# Altium PCB EgSA-Cube3.PcbDoc (part 1 of 2) (continued)
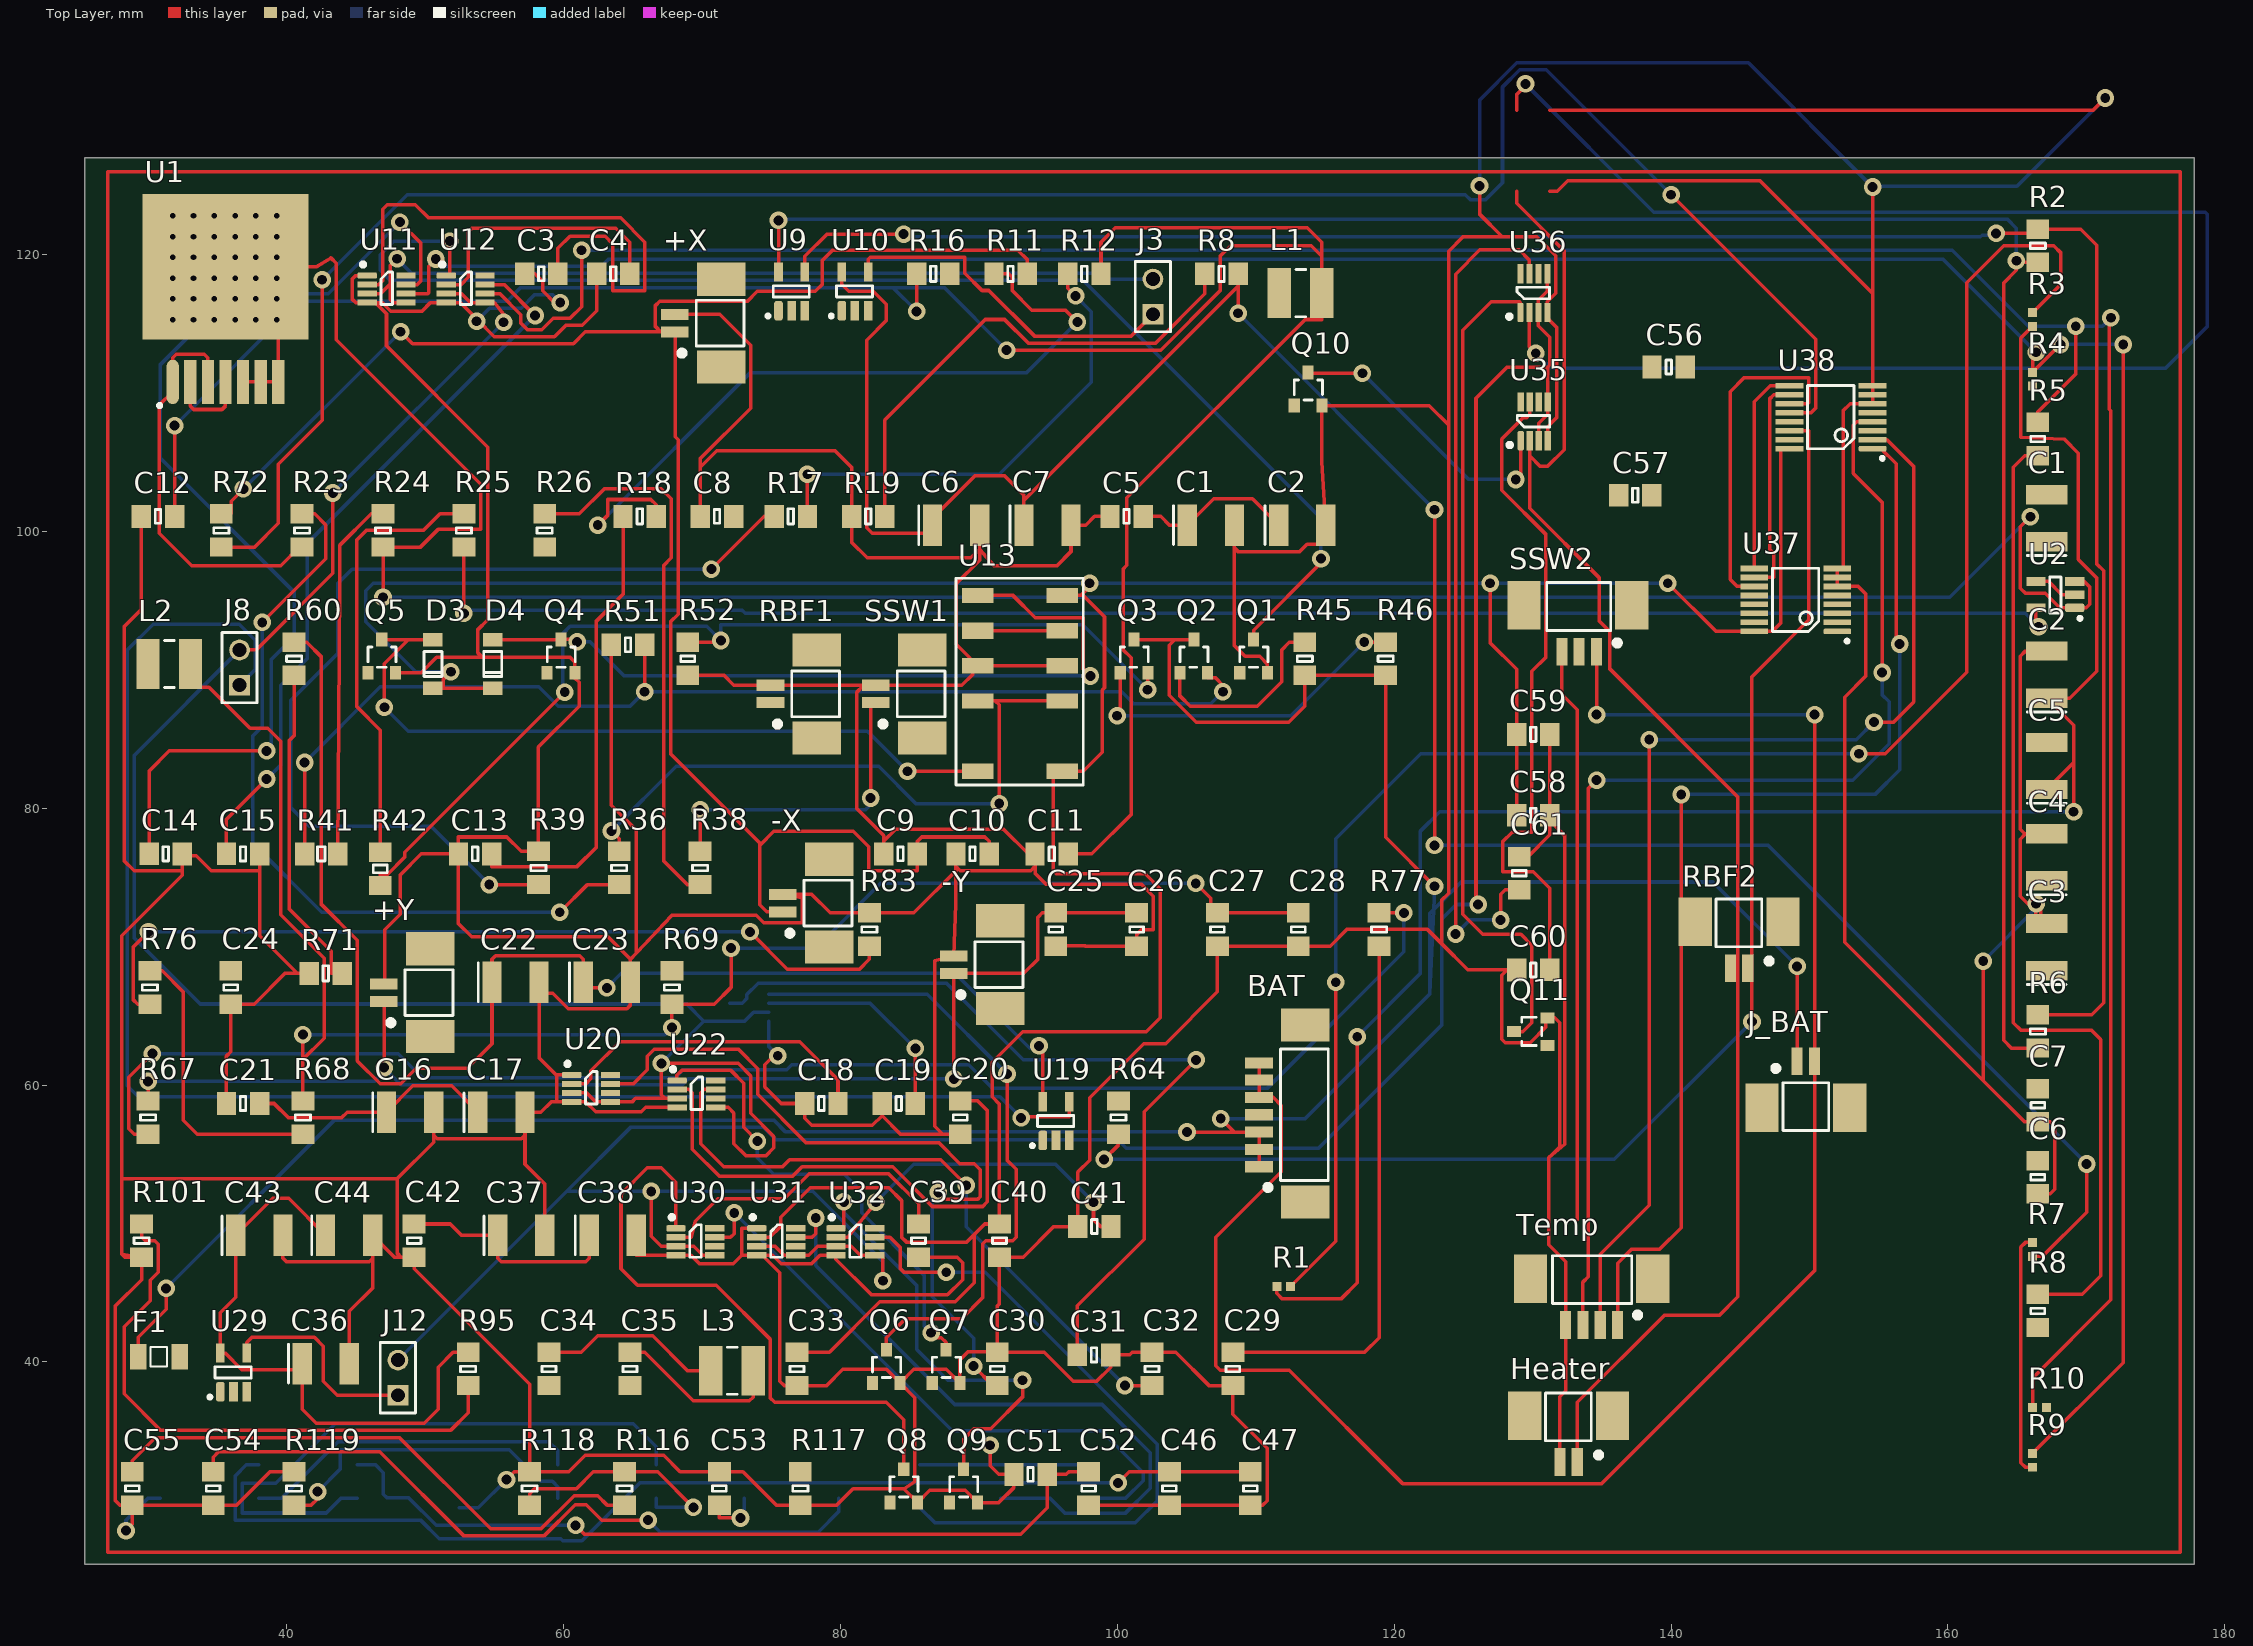
[diagram p0: Top Layer view]
## Part data (continued)
C7 C9 C10 C25 C26 C53: "CAP CER 4.7UF 35V X7R 0805", Capacitance=4.7uF, Case Code (Imperial)=0805, Case Code (Metric)=2012, Dielectric=X7R, Manufacturer=TDK, Max Operating Temperature=125°C, Min Operating Temperature=-55°C, Package Quantity=2000, Ratings=AEC-Q200, Supplier Part Number 1=445-175363-1-ND, Tolerance=10%, Voltage Rating=35V, Case/Package=0805, ComponentLink1Description=https://product.tdk.com/info/en/catalog/datasheets/mlcc_automotive_general_en.pdf?src-supplier=Digi-Key, ComponentLink1URL=https://product.tdk.com/info/en/catalog/datasheets/mlcc_automotive_general_en.pdf?src-supplier=Digi-Key, ComponentLink2Description=https://product.tdk.com/info/en/catalog/spec/mlccspec_automotive_general_midvoltage_en.pdf?src-supplier=Digi-Key, ComponentLink2URL=https://product.tdk.com/info/en/catalog/spec/mlccspec_automotive_general_midvoltage_en.pdf?src-supplier=Digi-Key, ComponentLink3Description=http://product.tdk.com/capacitor/mlcc/class/print_detail_pdf.php?lang=en&part_no=CGA4J1X7R1V475K125AC&src-supplier=Avnet, ComponentLink3URL=http://product.tdk.com/capacitor/mlcc/class/print_detail_pdf.php?lang=en&part_no=CGA4J1X7R1V475K125AC&src-supplier=Avnet, ComponentLink4Description=http://product.tdk.com/capacitor/mlcc/detailed_information.php?lang=en&ref=jp&part_no=CGA4J1X7R1V475K125AC&src-supplier=Mouser, ComponentLink4URL=http://product.tdk.com/capacitor/mlcc/detailed_information.php?lang=en&ref=jp&part_no=CGA4J1X7R1V475K125AC&src-supplier=Mouser, Height=1.25mm, Lead Free="Lead Free", Length=0.079inch, Manufacturer Part Number=CGA4J1X7R1V475K125AC, Mount="Surface Mount", Packaging="Tape and Reel", Pricing 1="1=0.48, 10=0.338, 50=0.2558, 100=0.2228, 500=0.165, 1000=0.1403 (USD)", RoHS Compliant=Yes, Stock 1=20312, Supplier 1=Digi-Key, Termination=SMD/SMT, Thickness=0.057inch, Voltage Rating (DC)=35V, Weight=0.000194oz, Width=0.049inch
C8 C24 C45: "CAP CER 0.47UF 16V X7R 0805", Capacitance=470nF, Case Code (Imperial)=0805, Case Code (Metric)=2012, Dielectric=X7R, Insulation Resistance=100GR, Manufacturer="Kyocera AVX", Max Operating Temperature=125°C, Min Operating Temperature=-55°C, Package Quantity=1, Supplier Part Number 1=478-1403-1-ND, Tolerance=10%, Voltage=16V, Case/Package=0805, ComponentLink1Description=http://uk.rs-online.com/webdocs/0ed4/0900766b80ed4be2.pdf?src-supplier=RSComponents, ComponentLink1URL=http://uk.rs-online.com/webdocs/0ed4/0900766b80ed4be2.pdf?src-supplier=RSComponents, ComponentLink2Description=http://www.mouser.com/ds/2/40/X7RDielectric-777024.pdf?src-supplier=Mouser, ComponentLink2URL=http://www.mouser.com/ds/2/40/X7RDielectric-777024.pdf?src-supplier=Mouser, ComponentLink3Description=https://www.alliedelec.com/m/d/a24bb5190bea413b2ff164816f55e87c.pdf?src-supplier=Allied+Electronics, ComponentLink3URL=https://www.alliedelec.com/m/d/a24bb5190bea413b2ff164816f55e87c.pdf?src-supplier=Allied+Electronics, ComponentLink4Description=http://www.avx.com/docs/Catalogs/cx7r.pdf?src-supplier=Future+Electronics, ComponentLink4URL=http://www.avx.com/docs/Catalogs/cx7r.pdf?src-supplier=Future+Electronics, ComponentLink5Description=http://www.jameco.com/Jameco/Products/ProdDS/2011221.pdf?src-supplier=Jameco, ComponentLink5URL=http://www.jameco.com/Jameco/Products/ProdDS/2011221.pdf?src-supplier=Jameco, ComponentLink6Description=http://www.avx.com/docs/catalogs/cx7r.pdf?src-supplier=Avnet+Europe, ComponentLink6URL=http://www.avx.com/docs/catalogs/cx7r.pdf?src-supplier=Avnet+Europe, ComponentLink7Description=http://www.avx.com/docs/catalogs/cx7r.pdf?src-supplier=Avnet, ComponentLink7URL=http://www.avx.com/docs/catalogs/cx7r.pdf?src-supplier=Avnet, ComponentLink8Description=http://catalogs.avx.com/SurfaceMount.pdf?src-supplier=Digi-Key, ComponentLink8URL=http://catalogs.avx.com/SurfaceMount.pdf?src-supplier=Digi-Key, ComponentLink9Description=http://datasheets.avx.com/AutoMLCC.pdf?src-supplier=Avnet+Asia, ComponentLink9URL=http://datasheets.avx.com/AutoMLCC.pdf?src-supplier=Avnet+Asia, ComponentLink10Description=http://datasheets.avx.com/X7RDielectric.pdf?src-supplier=Digi-Key, ComponentLink10URL=http://datasheets.avx.com/X7RDielectric.pdf?src-supplier=Digi-Key, ComponentLink11Description=http://avx.com/docs/Catalogs/cx7r.pdf?src-supplier=Element14, ComponentLink11URL=http://avx.com/docs/Catalogs/cx7r.pdf?src-supplier=Element14, Contact Plating=Tin,Matte, Depth=1.25mm, Dissipation Factor=3.5%, Height=1.4mm, Lead Free="Lead Free", Length=2.01mm, Manufacturer Part Number=0805YC474KAT2A, Mount="Surface Mount,PCB", Number of Pins=2, Packaging="Tape and Reel", Pricing 1="1=0.28, 10=0.191, 50=0.1144, 100=0.0966, 500=0.0661, 1000=0.0584 (USD)", Radiation Hardening=No, REACH SVHC="No SVHC", Stock 1=215925, Supplier 1=Digi-Key, Termination=SMD/SMT, Thickness=0.055inch, Voltage Rating=16V, Voltage Rating (DC)=16V, Width=1.25mm
C11 C12 C27 C28 C46 C47: "CAP CER 22UF 16V X5R 0805", Capacitance=22uF, Case Code (Imperial)=0805, Case Code (Metric)=2012, Dielectric=X5R, Dielectric Material=Ceramic, Manufacturer=TDK, Max Operating Temperature=85°C, Min Operating Temperature=-55°C, Package Quantity=1, Supplier Part Number 1=445-7647-1-ND, Tolerance=20%, Voltage Rating=16V, Case/Package=0805, ComponentLink1Description=https://product.tdk.com/info/en/documents/chara_sheet/C2012X5R1C226M125AC.pdf?src-supplier=Digi-Key, ComponentLink1URL=https://product.tdk.com/info/en/documents/chara_sheet/C2012X5R1C226M125AC.pdf?src-supplier=Digi-Key, ComponentLink2Description=http://www.farnell.com/datasheets/1913358.pdf?src-supplier=Element14, ComponentLink2URL=http://www.farnell.com/datasheets/1913358.pdf?src-supplier=Element14, ComponentLink3Description=http://www.tdk.co.jp/tefe02/e412_c.pdf?src-supplier=Future+Electronics, ComponentLink3URL=http://www.tdk.co.jp/tefe02/e412_c.pdf?src-supplier=Future+Electronics, Construction=Flat, Depth=1.25mm, Height=1.25mm, Lead Free="Lead Free", Length=2mm, Manufacturer Part Number=C2012X5R1C226M125AC, Mount="Surface Mount", Number of Pins=2, Packaging="Tape and Reel", Pricing 1="1=0.64, 10=0.451, 50=0.341, 100=0.297, 500=0.22, 1000=0.187 (USD)", Radiation Hardening=No, REACH SVHC=Unknown, Resistor Type=Ceramic, RoHS Compliant=Yes, Series=C, Stock 1=122957, Supplier 1=Digi-Key, Termination=SMD/SMT, Thickness=0.057inch, Voltage Rating (DC)=16V, Weight=0.000194oz, Width=0.049inch
C13 C29: "CAP CER 2200PF 50V X7R 0805", Capacitance=2.2nF, Case Code (Imperial)=0805, Case Code (Metric)=2012, Dielectric=X7R, Manufacturer=Vishay, Max Operating Temperature=125°C, Min Operating Temperature=-55°C, Package Quantity=4000, Supplier Part Number 1=720-1604-1-ND, Tolerance=10%, Voltage Rating=50V, Case/Package=0805, ComponentLink1Description=http://www.vishay.com/docs/28548/vjw1bcbascomseries.pdf?src-supplier=Digi-Key, ComponentLink1URL=http://www.vishay.com/docs/28548/vjw1bcbascomseries.pdf?src-supplier=Digi-Key, ComponentLink2Description=http://www.mouser.com/ds/2/427/vjw1bcbascomseries-223529.pdf?src-supplier=Mouser, ComponentLink2URL=http://www.mouser.com/ds/2/427/vjw1bcbascomseries-223529.pdf?src-supplier=Mouser, ComponentLink3Description=http://www.vishay.com/docs/28548/vjw1bcbascomseries.pdf?src-supplier=Avnet+Europe, ComponentLink3URL=http://www.vishay.com/docs/28548/vjw1bcbascomseries.pdf?src-supplier=Avnet+Europe, Construction=Flat, Depth=1.25mm, Height=1.45mm, Length=2mm, Manufacturer Part Number=VJ0805Y222KXACW1BC, Mount="Surface Mount", Packaging="Tape and Reel", Pricing 1="1=0.25, 10=0.17, 50=0.1022, 100=0.0862, 500=0.059, 1000=0.0522 (USD)", Radiation Hardening=No, RoHS Compliant=Yes, Series=VJ, Stock 1=13835, Supplier 1=Digi-Key, Termination=SMD/SMT, Thickness=0.037inch, Voltage Rating (DC)=50V, Weight=0.000194oz, Width=0.049inch
C33 C34 C35 C58 C59: "CAP CER 0.1UF 16V X7R 0805", Manufacturer=KEMET, Operating Temperature="-55°C ~ 125°C", Package / Case="0805 (2012 Metric)", Ratings=-, Supplier Part Number 1=399-11163-1-ND, Temperature Coefficient=X7R, Tolerance=±5%, Voltage - Rated=16V, Applications="General Purpose", Category=Capacitors, ComponentLink1Description=https://search.kemet.com/component-edge/download/datasheet/C0805C104J4RACTU.pdf, ComponentLink1URL=https://search.kemet.com/component-edge/download/datasheet/C0805C104J4RACTU.pdf, Failure Rate=-, Features="Low ESL", Height - Seated (Max)=-, Lead Spacing=-, Lead Style=-, Manufacturer Part Number=C0805C104J4RACTU, Mounting Type="Surface Mount, MLCC", Notification="Current market demand for these product types have resulted in fluctuating and extending lead times. Lead times may differ.", Packaging="Cut Tape (CT)", Part Status=Active, Pricing 1="1=0.6, 10=0.424, 100=0.2795, 500=0.207, 1000=0.17595 (USD)", RoHS="RoHS Compliant", Size / Dimension="0.079\" L x 0.049\" W (2.00mm x 1.25mm)", Stock 1=1390, Supplier 1=Digi-Key, Thickness (Max)="0.035\" (0.88mm)"
C51: "CAP CER 47UF 10V X5R 0805", Capacitance=47uF, Case Code (Imperial)=0805, Case Code (Metric)=2012, Dielectric=X5R, Dielectric Material=Ceramic, Manufacturer=TDK, Max Operating Temperature=85°C, Min Operating Temperature=-55°C, Package Quantity=1, Supplier Part Number 1=445-8239-1-ND, Tolerance=20%, Voltage=10V, Case/Package=0805, ComponentLink1Description=https://product.tdk.com/info/en/documents/chara_sheet/C2012X5R1A476M125AC.pdf?src-supplier=Digi-Key, ComponentLink1URL=https://product.tdk.com/info/en/documents/chara_sheet/C2012X5R1A476M125AC.pdf?src-supplier=Digi-Key, ComponentLink2Description=http://www.mouser.com/ds/2/400/lcc_commercial_general_en-837201.pdf?src-supplier=Mouser, ComponentLink2URL=http://www.mouser.com/ds/2/400/lcc_commercial_general_en-837201.pdf?src-supplier=Mouser, ComponentLink3Description=http://www.farnell.com/datasheets/1796654.pdf?src-supplier=Element14, ComponentLink3URL=http://www.farnell.com/datasheets/1796654.pdf?src-supplier=Element14, ComponentLink4Description=http://www1.futureelectronics.com/doc/TDK/C2012X5R1A476M125AC.pdf?src-supplier=Future+Electronics, ComponentLink4URL=http://www1.futureelectronics.com/doc/TDK/C2012X5R1A476M125AC.pdf?src-supplier=Future+Electronics, Depth=1.25mm, Height=1.25mm, Lead Free="Lead Free", Length=2mm, Manufacturer Part Number=C2012X5R1A476M125AC, Mount="Surface Mount", Packaging="Tape and Reel", Pricing 1="1=0.85, 10=0.644, 50=0.5346, 100=0.4604, 500=0.3564, 1000=0.3069 (USD)", REACH SVHC="No SVHC", Resistor Type=Ceramic, RoHS Compliant=Yes, Series=C, Stock 1=142188, Supplier 1=Digi-Key, Termination=SMD/SMT, Thickness=0.057inch, Voltage Rating=10V, Voltage Rating (DC)=10V, Weight=0.000194oz, Width=0.049inch
C54: "CAP CER 680PF 25V X7R 0805", Capacitance=680pF, Case Code (Imperial)=0805, Case Code (Metric)=2012, Dielectric=X7R, Dielectric Material=Tantalum, Manufacturer="Vishay Vitramon", Max Operating Temperature=125°C, Min Operating Temperature=-55°C, Package Quantity=4000, Supplier Part Number 1=77-VJ0805Y681JXXCBC, Tolerance=5%, Voltage Rating (DC)=25V, Case/Package=0805, ComponentLink1Description=http://www.vishay.com/docs/28548/vjw1bcbascomseries.pdf?src-supplier=Avnet, ComponentLink1URL=http://www.vishay.com/docs/28548/vjw1bcbascomseries.pdf?src-supplier=Avnet, Construction=Flat, Depth=1.25mm, Height=1.45mm, Lead Free="Lead Free", Length=2mm, Manufacturer Part Number=VJ0805Y681JXXCW1BC, Mount="Surface Mount", Packaging="Tape and Reel", Pricing 1="1=0.41, 10=0.41, 50=0.149, 100=0.121, 1000=0.07, 10000=0.061 (USD)", RoHS Compliant=Yes, Series="VJ W1BC", Stock 1=9511, Supplier 1=Mouser, Termination=SMD/SMT, Weight=0.000194oz, Width=1.25mm
C55: "CAP CER 4700PF 16V X7R 0805", Capacitance=4.7nF, Case/Package=0805, Dielectric=X7R, Dielectric Material=Ceramic, Manufacturer=KEMET, Max Operating Temperature=125°C, Min Operating Temperature=-55°C, Supplier Part Number 1=399-14607-1-ND, Tolerance=10%, Voltage Rating (DC)=16V, ComponentLink1Description=http://components.arrow.com/part/dataview/0323_00331522?src-supplier=Arrow+Europe, ComponentLink1URL=http://components.arrow.com/part/dataview/0323_00331522?src-supplier=Arrow+Europe, ComponentLink2Description=http://capacitoredge.kemet.com/capedge2/DataSheet?pn=C0805C472K4RACTU&src-supplier=Avnet+Europe, ComponentLink2URL=http://capacitoredge.kemet.com/capedge2/DataSheet?pn=C0805C472K4RACTU&src-supplier=Avnet+Europe, Construction=Flat, Depth=1.25mm, Height=0.78mm, Length=2mm, Manufacturer Part Number=C0805C472K4RAC7800, Mount="Surface Mount", Packaging="Tape and Reel", Pricing 1="1=0.3, 10=0.207, 50=0.1378, 100=0.1171, 500=0.0826, 1000=0.0723 (USD)", Radiation Hardening=No, Stock 1=904, Supplier 1=Digi-Key
D3 D4: "DIODE GEN PURP SOD123", Base Part Number=MMSD459, Capacitance @ Vr, F=-, Manufacturer="ON Semiconductor", Operating Temperature - Junction="150°C (Max)", Package / Case=SOD-123, Supplier Part Number 1=MMSD459ADKR-ND, Category="Discrete Semiconductor Products", Current - Average Rectified (Io)=-, Diode Type=Standard, Manufacturer Part Number=MMSD459A, Mounting Type="Surface Mount", Packaging=Digi-Reel®, Part Status="Discontinued at Digi-Key", Pricing 1="1=0 (USD)", RoHS="RoHS Compliant", Speed="Standard Recovery >500ns, > 200mA (Io)", Stock 1=0, Supplier 1=Digi-Key, Supplier Device Package=SOD-123
F1: "PTC RESET FUSE 5.0A 12V 1206", Manufacturer=Littelfuse, Supplier Part Number 1=576-1206L500/12SLPR, Trip Current=5A, Manufacturer Part Number=1206L500/12SLPR, Pricing 1="1=1.95, 10=1.85, 25=1.49, 100=1.27, 250=1.23, 500=1.04 (USD)", Stock 1=2000, Supplier 1=Mouser
J3 J8 J12: "CONN SOCKET 2POS 0.1 GOLD PCB", Manufacturer=Samtec, Supplier Part Number 1=ESW-102-13-L-S-ND, ComponentLink1Description=http://www.farnell.com/datasheets/2607183.pdf?src-supplier=Farnell, ComponentLink1URL=http://www.farnell.com/datasheets/2607183.pdf?src-supplier=Farnell, Manufacturer Part Number=ESW-102-13-L-S, Pricing 1="1=0.87, 10=0.765, 100=0.66, 500=0.54, 1000=0.48, 5000=0.42, 10000=0.399 (USD)", RoHS Compliant=Yes, Stock 1=187, Supplier 1=Digi-Key
L1 L2: "FIXED IND 1.5UH 7.5A 23.6 MOHM", Manufacturer=Coilcraft, Supplier Part Number 1=994-XEL4020-152MEB, Manufacturer Part Number=XEL4020-152MEB, Pricing 1="1=1.84, 10=1.65, 50=1.48, 100=1.32, 1000=0.956, 10000=0.89 (USD)", RoHS Compliant=Yes, Stock 1=500, Supplier 1=Mouser
L3: "FIXED IND 3.3UH 6.6A 28.6 MOHM", Manufacturer=Coilcraft, Supplier Part Number 1=994-XEL4030-332MEC, Manufacturer Part Number=XEL4030-332MEC, Pricing 1="1=2.21, 10=1.97, 50=1.77, 100=1.58, 1000=1.14, 10000=1.06 (USD)", Stock 1=4395, Supplier 1=Mouser
Q1 Q4 Q5 Q6 Q7 Q8 Q9 Q10 Q11: "TRANS NPN 40V 0.2A SOT23", Current - Collector Cutoff (Max)=-, DC Current Gain (hFE) (Min) @ Ic, Vce="100 @ 10mA, 1V", Frequency - Transition=300MHz, Manufacturer="ON Semiconductor", Operating Temperature="-55°C ~ 150°C (TJ)", Package / Case="TO-236-3, SC-59, SOT-23-3", Supplier Device Package="SOT-23-3 (TO-236)", Supplier Part Number 1=SMMBT3904LT3GOSCT-ND, Category="Discrete Semiconductor Products", ComponentLink1Description=http://www.onsemi.com/pub/Collateral/MMBT3904LT1-D.PDF, ComponentLink1URL=http://www.onsemi.com/pub/Collateral/MMBT3904LT1-D.PDF, Manufacturer Part Number=SMMBT3904LT3G, Mounting Type="Surface Mount", Packaging="Cut Tape (CT)", Part Status=Active, Pricing 1="1=0.31, 10=0.256, 100=0.1356, 500=0.08922, 1000=0.06067 (USD)", RoHS="RoHS Compliant", Stock 1=4146, Supplier 1=Digi-Key, Transistor Type=NPN, Vce Saturation (Max) @ Ib, Ic="300mV @ 5mA, 50mA"
Q2 Q3: "Bipolar Transistors - BJT PNP Silicon Chopper SMT Transistor", Case/Package=SOT-23, Collector Base Voltage (VCBO)=40V, Collector Emitter Saturation Voltage=200mV, Collector Emitter Voltage (VCEO)=35V, Continuous Collector Current=150mA, Emitter Base Voltage (VEBO)=25V, Manufacturer="Central Semiconductor", Max Operating Temperature=150°C, Max Power Dissipation=350mW, Min Operating Temperature=-65°C, Package Quantity=3000, Supplier Part Number 1=610-CMPT404A-TR, ComponentLink1Description=http://www.mouser.com/ds/2/68/cmpt404a_r1-258738.pdf?src-supplier=Mouser, ComponentLink1URL=http://www.mouser.com/ds/2/68/cmpt404a_r1-258738.pdf?src-supplier=Mouser, ComponentLink2Description=http://www.centralsemi.com/PDFs/products/CMPT404A_R1.PDF?src-supplier=Future+Electronics, ComponentLink2URL=http://www.centralsemi.com/PDFs/products/CMPT404A_R1.PDF?src-supplier=Future+Electronics, ComponentLink3Description=http://datasheet.octopart.com/CMPT404A-TR-Central-Semiconductor-datasheet-527503.pdf?src-supplier=Future+Electronics, ComponentLink3URL=http://datasheet.octopart.com/CMPT404A-TR-Central-Semiconductor-datasheet-527503.pdf?src-supplier=Future+Electronics, ComponentLink4Description=http://datasheet.octopart.com/CMPT404A-TR-Central-Semiconductor-datasheet-13529226.pdf?src-supplier=Future+Electronics, ComponentLink4URL=http://datasheet.octopart.com/CMPT404A-TR-Central-Semiconductor-datasheet-13529226.pdf?src-supplier=Future+Electronics, Element Configuration=Single, hFE Min=100, Lead Free="Lead Free", Manufacturer Part Number="CMPT404A TR", Packaging="Tape and Reel", Polarity=PNP, Stock 1=0, Supplier 1=Mouser
R1 R3 R4 R7 R9 R10: library part CMP-009-00034-4, "Chip Resistor, 4.7 KOhm, +/- 1%, 63 mW, -55 to 155 degC, 0402 (1005 Metric)", Case/Package=0402, Max Operating Temperature=155°C, Min Operating Temperature=-55°C, Power=63mW, Tolerance=1%, Voltage Rating=50V, Mounting Technology=SM, Pins=2, RoHS Compliant=True
R2 R95: "RES 5.62K OHM 1% 1/2W 0805", Case Code (Imperial)=0805, Case Code (Metric)=2012, Manufacturer="Vishay Dale", Max Operating Temperature=155°C, Max Power Dissipation=500mW, Min Operating Temperature=-55°C, Package Quantity=5000, Resistance=5.62kR, Resistor Type="Thick Film", Supplier Part Number 1=71-CRCW08055K62FKEAH, Temperature Coefficient=100ppm/°C, Tolerance=1%, Case/Package=0805, ComponentLink1Description=http://www.vishay.com/docs/20043/crcwhpe3.pdf?src-supplier=Digi-Key, ComponentLink1URL=http://www.vishay.com/docs/20043/crcwhpe3.pdf?src-supplier=Digi-Key, Features="Automotive AEC-Q200", Height=0.024inch, Lead Free="Lead Free", Length=0.079inch, Manufacturer Part Number=CRCW08055K62FKEAHP, Number of Terminations=2, Packaging="Cut Tape", Pricing 1="1=0.26, 10=0.222, 50=0.222, 100=0.086, 1000=0.033, 10000=0.025 (USD)", RoHS Compliant=Yes, Series=CRCW-HP, Stock 1=641, Supplier 1=Mouser, Width=0.049inch
R5 R8: "RES 10K OHM 1% 1/2W 0805", Case Code (Imperial)=0805, Case Code (Metric)=2012, Manufacturer=Panasonic, Max Operating Temperature=155°C, Max Power Dissipation=500mW, Min Operating Temperature=-55°C, Package Quantity=5000, Resistance=10kR, Resistance Tolerance=1%, Resistor Type="Thick Film", Supplier Part Number 1=P16059CT-ND, Temperature Coefficient=100ppm/°C, Voltage Rating=150V, Case/Package=0805, ComponentLink1Description=http://uk.rs-online.com/webdocs/12cb/0900766b812cb812.pdf?src-supplier=RSComponents, ComponentLink1URL=http://uk.rs-online.com/webdocs/12cb/0900766b812cb812.pdf?src-supplier=RSComponents, ComponentLink2Description=http://www.mouser.com/ds/2/315/AOA0000CE4-64075.pdf?src-supplier=Mouser, ComponentLink2URL=http://www.mouser.com/ds/2/315/AOA0000CE4-64075.pdf?src-supplier=Mouser, ComponentLink3Description=https://industrial.panasonic.com/ww/system/files/data/download/catalog/id_fixed-resistors_e_1.pdf?src-supplier=Distrelec, ComponentLink3URL=https://industrial.panasonic.com/ww/system/files/data/download/catalog/id_fixed-resistors_e_1.pdf?src-supplier=Distrelec, Construction=Rectangular, Contact Plating=Tin, Depth=1.25mm, Features="Automotive AEC-Q200", Height=0.6mm, Lead Free="Lead Free", Length=2mm, Manufacturer Part Number=ERJ-P06F1002V, Military Standard=Not, Mount="Surface Mount", Number of Terminations=2, Packaging="Tape and Reel", Power Rating=500mW, Pricing 1="1=0.16, 10=0.134, 100=0.0525, 1000=0.022, 2500=0.0201 (USD)", Radiation Hardening=No, REACH SVHC="No SVHC", RoHS Compliant=Yes, Series=ERJ, Stock 1=38689, Supplier 1=Digi-Key, Technology="THICK FILM", Termination=SMD/SMT, Tolerance=1%, Voltage Rating (DC)=150V, Width=1.2mm
R6 R19 R71 R101: "RES 1.07 KOHM 1% 1/2W 0805", Case Code (Imperial)=0805, Case Code (Metric)=2012, Manufacturer=Panasonic, Manufacturer Part Number=ERJP06F1071V, Max Operating Temperature=155°C, Min Operating Temperature=-55°C, Package Quantity=5000, Power Rating=500mW, Resistance=1.07kR, Supplier Part Number 1=667-ERJ-P06F1071V, Temperature Coefficient=100ppm/°C, Tolerance=1%, Voltage Rating=150V, Voltage Rating (DC)=400V, Case/Package=0805, ComponentLink1Description=http://www.farnell.com/datasheets/1801181.pdf?src-supplier=Element14, ComponentLink1URL=http://www.farnell.com/datasheets/1801181.pdf?src-supplier=Element14, Composition="Thick Film", Height=0.6mm, Length=2mm, Mount="Surface Mount", Packaging="Tape and Reel", Pricing 1="1=0.28, 10=0.112, 100=0.047, 1000=0.035, 5000=0.019, 10000=0.019 (USD)", REACH SVHC="No SVHC", Stock 1=8690, Supplier 1=Mouser, Width=1.2mm
R8 R60: "RES 3.4 KOHM 1% 1/2W 0805", Case Code (Imperial)=0805, Case Code (Metric)=2012, Manufacturer=Panasonic, Manufacturer Part Number=ERJP06F3401V, Max Operating Temperature=155°C, Min Operating Temperature=-55°C, Package Quantity=5000, Power Rating=500mW, Resistance=3.4kR, Supplier Part Number 1=ERJ-P06F3401V-ND, Temperature Coefficient=100ppm/°C, Tolerance=1%, Voltage Rating=150V, Voltage Rating (DC)=400V, Case/Package=0805, ComponentLink1Description=http://www.farnell.com/datasheets/1801181.pdf?src-supplier=Element14, ComponentLink1URL=http://www.farnell.com/datasheets/1801181.pdf?src-supplier=Element14, Composition="Thick Film", Height=0.6mm, Length=2mm, Mount="Surface Mount", Packaging="Tape and Reel", Pricing 1="5000=0.0183 (USD)", REACH SVHC="No SVHC", Stock 1=0, Supplier 1=Digi-Key, Width=1.2mm
R11: "RES 226K OHM 1% 1/4W 0805", Case Code (Imperial)=0805, Case Code (Metric)=2012, Manufacturer="KOA Speer", Max Operating Temperature=155°C, Min Operating Temperature=-55°C, Package Quantity=5000, Power Rating=125mW, Resistance=226kR, Supplier Part Number 1=2019-RK73H2ATTD2263FCT-ND, Temperature Coefficient=100ppm/°C, Tolerance=1%, Voltage Rating=150V, Case/Package=0805, ComponentLink1Description=http://www.mouser.com/ds/2/219/RK73H-5715.pdf?src-supplier=Mouser, ComponentLink1URL=http://www.mouser.com/ds/2/219/RK73H-5715.pdf?src-supplier=Mouser, ComponentLink2Description=http://components.arrow.com/part/dataview/39729511S7441442N5146?src-supplier=Arrow+Electronics, ComponentLink2URL=http://components.arrow.com/part/dataview/39729511S7441442N5146?src-supplier=Arrow+Electronics, Height=0.5mm, Lead Free="Lead Free", Length=2mm, Manufacturer Part Number=RK73H2ATTD2263F, Packaging="Tape and Reel", Pricing 1="1=0.1, 10=0.03, 100=0.0124, 1000=0.0056, 2500=0.0048 (USD)", RoHS Compliant=Yes, Series=RK73H, Stock 1=3236, Supplier 1=Digi-Key, Termination=SMD/SMT, Voltage Rating (DC)=150V, Width=1.25mm
R12 R68: "RES 1.17M OHM 0.1% 1/8W 0805", Manufacturer=Yageo, Supplier Part Number 1=603-RT0805BRD071M17L, Manufacturer Part Number=RT0805BRD071M17L, Pricing 1="1=0.47, 10=0.276, 50=0.276, 100=0.111, 1000=0.084, 10000=0.063 (USD)", RoHS Compliant=Yes, Stock 1=3176, Supplier 1=Mouser
R16 R23 R24 R25 R26 R36 R38 R39 R45 R46 R69 R83 R118 R119: "RES 100K OHM 1% 1/2W 0805", Case Code (Imperial)=0805, Case Code (Metric)=2012, Manufacturer=Vishay, Max Operating Temperature=155°C, Max Power Dissipation=500mW, Min Operating Temperature=-55°C, Package Quantity=10, Power Rating=330mW, Resistance=100kR, Resistance Tolerance=1%, Resistor Type="Thick Film", Supplier Part Number 1=541-100KTCT-ND, Temperature Coefficient=100ppm/°C, Voltage Rating=150V, Case/Package=0805, ComponentLink1Description=http://www.vishay.com/docs/20043/crcwhpe3.pdf?src-supplier=Digi-Key, ComponentLink1URL=http://www.vishay.com/docs/20043/crcwhpe3.pdf?src-supplier=Digi-Key, ComponentLink2Description=http://www.farnell.com/datasheets/2140397.pdf?src-supplier=Element14, ComponentLink2URL=http://www.farnell.com/datasheets/2140397.pdf?src-supplier=Element14, ComponentLink3Description=http://www.vishay.com/docs/20043/crcwhpe3.pdf?src-supplier=Avnet, ComponentLink3URL=http://www.vishay.com/docs/20043/crcwhpe3.pdf?src-supplier=Avnet, Construction=Rectangular, Contact Plating=Tin, Depth=1.25mm, Features="Automotive AEC-Q200", Height=0.024inch, Lead Free="Lead Free", Length=2mm, Manufacturer Part Number=CRCW0805100KFKEAHP, Military Standard=Not, Mount="Surface Mount", Number of Terminations=2, Packaging="Tape and Reel", Pricing 1="1=0.23, 10=0.193, 100=0.0753, 1000=0.0315, 2500=0.0289 (USD)", Radiation Hardening=No, REACH SVHC=Unknown, RoHS Compliant=Yes, Series=CRCW-HP, Stock 1=7831, Supplier 1=Digi-Key, Technology="THICK FILM", Termination=SMD/SMT, Tolerance=1%, Voltage Rating (DC)=150V, Weight=0.000194oz, Width=0.049inch
R17 R76: "RES 0 OHM JUMPER 1/2W 0805", Case Code (Imperial)=0805, Case Code (Metric)=2012, Manufacturer="Vishay Dale", Max Operating Temperature=155°C, Max Power Dissipation=500mW, Min Operating Temperature=-55°C, Package Quantity=5000, Power Rating=330mW, Resistance=0R, Resistor Type="Thick Film", Supplier Part Number 1=541-0.0TBCT-ND, Temperature Coefficient=0ppm/°C, Tolerance=5%, Voltage Rating=150V, Case/Package=0805, ComponentLink1Description=http://www.vishay.com/docs/20043/crcwhpe3.pdf?src-supplier=Future+Electronics, ComponentLink1URL=http://www.vishay.com/docs/20043/crcwhpe3.pdf?src-supplier=Future+Electronics, ComponentLink2Description=http://www.vishay.com/docs/20043/crcwhpe3.pdf?src-supplier=Digi-Key, ComponentLink2URL=http://www.vishay.com/docs/20043/crcwhpe3.pdf?src-supplier=Digi-Key, ComponentLink3Description=http://www.mouser.com/ds/2/427/crcwhpe3-46056.pdf?src-supplier=Mouser, ComponentLink3URL=http://www.mouser.com/ds/2/427/crcwhpe3-46056.pdf?src-supplier=Mouser, ComponentLink4Description=http://www.vishay.com/docs/20043/crcwhpe3.pdf?src-supplier=Avnet+Europe, ComponentLink4URL=http://www.vishay.com/docs/20043/crcwhpe3.pdf?src-supplier=Avnet+Europe, ComponentLink5Description=http://www.vishay.com/docs/20043/crcwhpe3.pdf?src-supplier=Avnet, ComponentLink5URL=http://www.vishay.com/docs/20043/crcwhpe3.pdf?src-supplier=Avnet, ComponentLink6Description=http://www.farnell.com/datasheets/2046716.pdf?src-supplier=Element14, ComponentLink6URL=http://www.farnell.com/datasheets/2046716.pdf?src-supplier=Element14, Construction=Rectangular, Contact Plating=Tin, Depth=1.25mm, Features="Automotive AEC-Q200", Height=0.024inch, Lead Free="Lead Free", Length=2mm, Manufacturer Part Number=CRCW08050000Z0EAHP, Military Standard=Not, Mount="Surface Mount", Number of Pins=2, Number of Terminations=2, Packaging="Tape and Reel", Pricing 1="1=0.21, 10=0.176, 25=0.128, 50=0.0928, 100=0.0688, 250=0.0528, 500=0.0416, 1000=0.0288 (USD)", Radiation Hardening=No, REACH SVHC="No SVHC", RoHS Compliant=Yes, Series=CRCW-HP, Size Code=0805, Stock 1=136611, Supplier 1=Digi-Key, Technology="THICK FILM", Termination=Solder, Voltage Rating (DC)=150V, Weight=0.000194oz, Width=0.049inch
R18 R77: "RES 2K OHM 1% 1/2W 0805", Case Code (Imperial)=0805, Case Code (Metric)=2012, Manufacturer="Vishay Dale", Max Operating Temperature=155°C, Max Power Dissipation=500mW, Min Operating Temperature=-55°C, Package Quantity=5000, Power Rating=330mW, Resistance=2kR, Resistor Type="Thick Film", Supplier Part Number 1=541-2.00KTCT-ND, Temperature Coefficient=100ppm/°C, Tolerance=1%, Voltage Rating=150V, Case/Package=0805, ComponentLink1Description=http://www.vishay.com/docs/20043/crcwhpe3.pdf?src-supplier=Avnet, ComponentLink1URL=http://www.vishay.com/docs/20043/crcwhpe3.pdf?src-supplier=Avnet, ComponentLink2Description=http://www.mouser.com/ds/2/427/crcwhpe3-46056.pdf?src-supplier=Mouser, ComponentLink2URL=http://www.mouser.com/ds/2/427/crcwhpe3-46056.pdf?src-supplier=Mouser, Construction=Rectangular, Contact Plating=Tin, Depth=1.25mm, Features="Automotive AEC-Q200", Height=0.5mm, Lead Free="Lead Free", Length=2mm, Manufacturer Part Number=CRCW08052K00FKEAHP, Military Standard=Not, Mount="Surface Mount", Number of Terminations=2, Packaging="Tape and Reel", Pricing 1="1=0.23, 10=0.193, 100=0.0753, 1000=0.0315, 2500=0.0289 (USD)", Radiation Hardening=No, RoHS Compliant=Yes, Series=CRCW-HP, Size Code=0805, Stock 1=100922, Supplier 1=Digi-Key, Technology="THICK FILM", Termination=SMD/SMT, Weight=0.000194oz, Width=1.2mm
R41 R42: "RES SMD 0 OHM JUMPER 0805", Manufacturer="Stackpole Electronics Inc.", Operating Temperature="-55°C ~ 155°C", Package / Case="0805 (2012 Metric)", Power (Watts)="0.5W, 1/2W", Supplier Device Package=0805, Supplier Part Number 1=HCJ0805ZT0R00CT-ND, Temperature Coefficient=-, Tolerance=Jumper, Category=Resistors, ComponentLink1Description=https://www.seielect.com/catalog/SEI-HCJ.pdf, ComponentLink1URL=https://www.seielect.com/catalog/SEI-HCJ.pdf, Composition="Metal Foil", Failure Rate=-, Features="Automotive AEC-Q200", Height - Seated (Max)="0.032\" (0.80mm)", Manufacturer Part Number=HCJ0805ZT0R00, Packaging="Cut Tape (CT)", Part Status=Active, Pricing 1="1=0.59, 10=0.455, 25=0.3464, 50=0.2574, 100=0.1914, 250=0.16172, 500=0.1386, 1000=0.1056 (USD)", RoHS="RoHS Compliant", Size / Dimension="0.079\" L x 0.049\" W (2.00mm x 1.25mm)", Stock 1=4, Supplier 1=Digi-Key